# Altium PCB V1_PCB-main.PcbDoc (part 2 of 7) (continued)
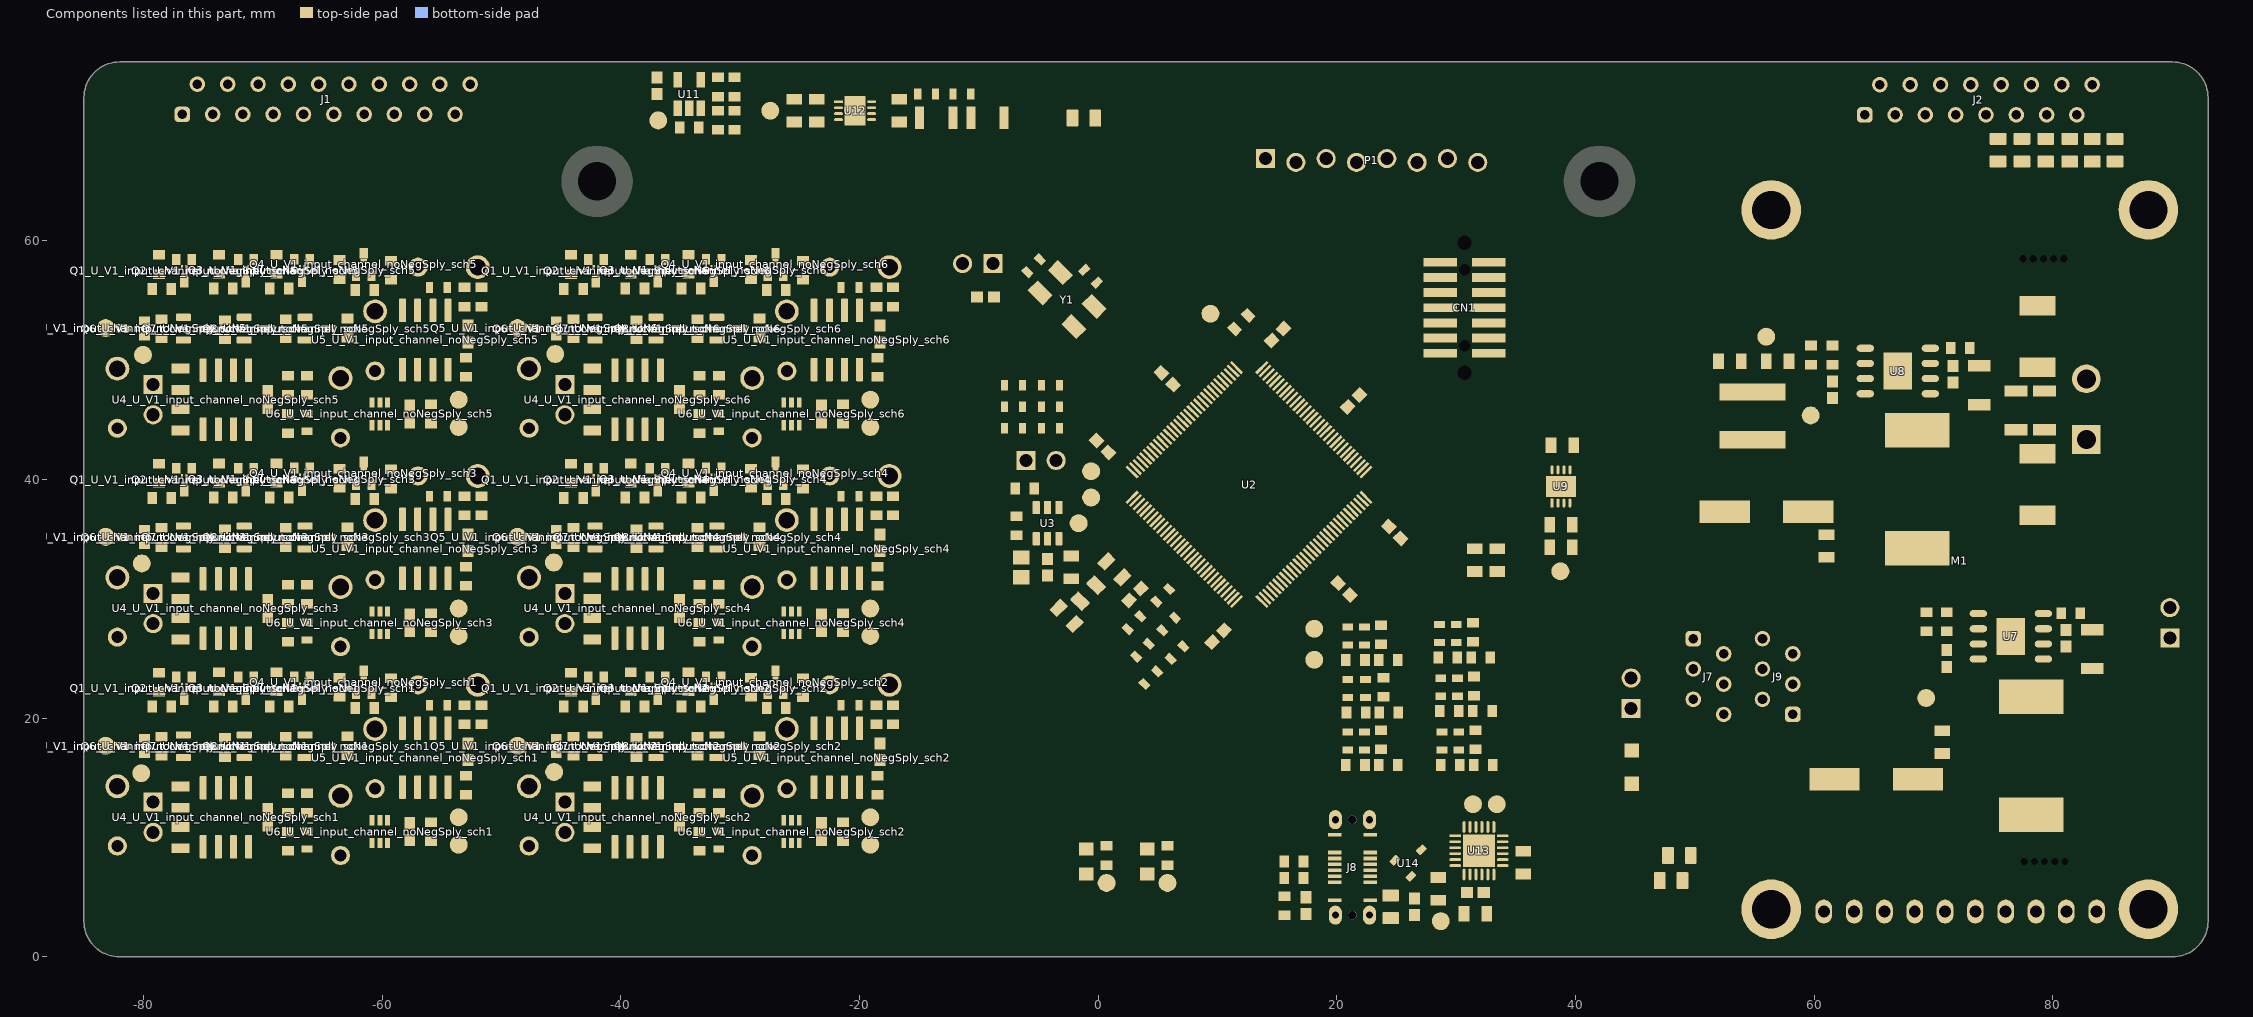
[diagram p4: the components of this part, seen from the top]
## Footprints (in the part's own frame and the unit in brackets; to place one, negate y for a bottom-side part, rotate by r counter-clockwise, add the part's x,y. Pads: shape width x height; smd on the part's side, far side on the other; paste and mask are expansions set on the pad) (continued)
  silkscreen extent -318,-281 280,323, body extent -315,-315 315,315, height 63
"scope with ground spring probe point" [mm]
  round 1.6 hole 1 paste-2539.97: NEG(0,-5)
  round 2 hole 1.4 paste-2539.97: POS(0,0)
  silkscreen extent -0.5,-3.5 0.5,-1.5
SMD-1812 [mm] "Chip Inductor, 2-Leads, Body 4.5x3.2mm"
  rect 1.65x3 smd: 1(-2.575,0) 2(2.575,0)
  silkscreen extent -1,-1.5 1,1.5, body extent -2.25,-1.6 2.25,1.6, height 1.49
SMD_0805 [mm] "Chip 2-Leads, Body 2.05x1.25mm, IPC Medium Density"
  rrect15% 1x1.4 smd: 1(-0.95,0) 2(0.95,0)
  silkscreen extent -0.05,-0.6 0.05,0.6, body extent -1.1,-0.7 1.1,0.7, height 0.8
SOIC127P600X175-8N [mm]
  rrect25% 1.97x0.59 smd: 1(-2.475,1.905) 2(-2.475,0.635) 3(-2.475,-0.635) 4(-2.475,-1.905) 5(2.475,-1.905) 6(2.475,-0.635) 7(2.475,0.635) 8(2.475,1.905)
  silkscreen extent -4.54,-2.52 2,2.6
"SOT-23 for nexperia mosfets" [mm]
  rrect25% 1.26x0.59 smd: 1(-0.98,0.95) 2(-0.98,-0.95) 3(0.98,0)
  silkscreen extent -2.48,-1.45 0.65,1.45, body extent -1.15,-1.45 1.15,1.45, height 1.1
tec1091-pins [mm]
  oval 2x1.4 hole 1 paste-2539.97: 1(3,30.4) 2(3,27.86) 3(3,25.32) 4(3,22.78) 5(3,20.24) 6(3,17.7) 7(3,15.16) 8(3,12.62) 9(3,10.08) 10(3,7.54)
  round 5 hole 3.2 unplated paste-2539.97: MNT(3.2,34.8) MNT(3.2,3.2) MNT(61.8,3.2) MNT(61.8,34.8)
  silkscreen extent 0,0 65,38, body extent 0,0 65,38, height 33.46
"Test Point 1.5mm SMD" [mm] "1.5mm circle SMD test point"
  round 1.5 smd paste-2539.97: 1(0,0)
WCAP-CSGP_0805_L2W1.25H1.25 [mm] "Ceramic Capacitors, body 2x1.25mm"
  rect 0.9x1.3 smd: 1(-0.95,0) 2(0.95,0)
  body extent -1,-0.63 1,0.63, height 1.25
WCAP-PSHP_D8H8.7 [mm] "Aluminium Polymer V-Chip SMT Capacitors, D8mm x L8.7mm"
  rect 4.2x1.9 smd: 1(3.5,0) 2(-3.5,0)
  silkscreen extent -4.25,-4.25 4.25,4.25, body extent -4.5,-4.15 4.5,4.15, height 8.7
WE-PD-XXL [mm] "SMD Inductor, 2-Leads, Body 12.0 x 12.0 mm"
  rect 2.9x5.4 smd: 1(-4.95,0) 2(4.95,0)
  silkscreen extent -6.25,-6.25 6.25,6.25, body extent -6,-6 6,6, height 10.36
WE-XHMI_6060_L6.65W6.45H5.8 [mm] "SMT Power Inductor, 2-Leads, body 6.65x6.45mm"
  rect 5.5x1.45 smd: 1(0,2) 2(0,-2)
  Top Layer keep-out region: -3.325,1.075 3.325,1.075 3.325,-1.075 -3.325,-1.075
  silkscreen extent -4.03,-3.33 3.42,3.33, body extent -3.32,-3.22 3.33,3.23, height 5.8
X6SN+1_N [mm] "SOT23, 6-Leads, Body 2x1.3mm, Pitch 0.65mm, Lead Span 2.2mm, IPC Medium Density"
  rect 0.85x0.4 smd: 1(-0.95,0.65) 2(-0.95,0) 3(-0.95,-0.65) 4(0.95,-0.65) 5(0.95,0) 6(0.95,0.65)
  silkscreen extent -1.07,-1.1 0.15,1.53, body extent -0.68,-1.07 0.68,1.08, height 1.1

## Part data
C1 C2 C29 C34: library part CMP-207839-000019-1, "CAP CER 4.7UF 50V X7R 1206", Capacitance=4.7uF, Case Code (Imperial)=1206, Case Code (Metric)=3216, Dielectric=X7R, Max Operating Temperature=125°C, Min Operating Temperature=-55°C, Tolerance=10%, Voltage Rating=50V, Case/Package=1206, Length=0.126inch, Mount="Surface Mount", Packaging="Cut Tape", RoHS Compliant=Yes, Series=WCAP-CSGP, Thickness=0.075inch, Voltage Rating (DC)=50V, Width=0.063inch
C3 C4 C5 C6 C7 C8 C9 C10 C15 C21 C25_U_V1_input_channel_noNegSply_sch1 C25_U_V1_input_channel_noNegSply_sch2 C25_U_V1_input_channel_noNegSply_sch3 C25_U_V1_input_channel_noNegSply_sch4 C25_U_V1_input_channel_noNegSply_sch5 C25_U_V1_input_channel_noNegSply_sch6 C27_U_V1_input_channel_noNegSply_sch1 C27_U_V1_input_channel_noNegSply_sch2 C27_U_V1_input_channel_noNegSply_sch3 C27_U_V1_input_channel_noNegSply_sch4 C27_U_V1_input_channel_noNegSply_sch5 C27_U_V1_input_channel_noNegSply_sch6 C28_U_V1_input_channel_noNegSply_sch1 C28_U_V1_input_channel_noNegSply_sch2 C28_U_V1_input_channel_noNegSply_sch3 C28_U_V1_input_channel_noNegSply_sch4 C28_U_V1_input_channel_noNegSply_sch5 C28_U_V1_input_channel_noNegSply_sch6 C30 C31 C35 C36 C50 C56 C58 C60: library part CMP-207839-000004-1, "CAP CER 0.1UF 50V X7R 0603", Capacitance=100nF, Case Code (Imperial)=0603, Case Code (Metric)=1608, Dielectric=X7R, Max Operating Temperature=125°C, Min Operating Temperature=-55°C, Tolerance=10%, Voltage Rating=50V, Case/Package=0603, Length=0.063inch, Mount="Surface Mount", Packaging="Cut Tape", RoHS Compliant=Yes, Series=WCAP-CSGP, Thickness=0.037inch, Voltage Rating (DC)=50V, Width=0.031inch
C11 C12 C14 C16 C17 C33 C37 C38 C40 C41 C42 C43 C51 C52 C53 C57 C59 C61: "WCAP-CSGP Multilayer Ceramic Chip Capacitor, General Purpose, size 0805, X5R, 4.7µF, 25VDC", Capacitance=4.7µF, Capacitance Tolerance=+/-20%, Case/Size Code=0805, Insulation Resistance=0.02GΩ, Manufacturer="Wurth Elektronik", Operating Temperature Max=85°C, Operating Temperature Min=-55°C, Rated Voltage (DC)=25V, Category="Multilayer Ceramic Chip Capacitors", Ceramic Type=X5R, ComponentLink1Description="Website Link", ComponentLink1URL=https://www.we-online.com/redexpert/article/885012107018?ad, ComponentLink2Description="Datasheet Link", ComponentLink2URL=https://www.we-online.com/redexpert/spec/885012107018?ad, Dissipation Factor=10%, Height=1.25mm, Length=2mm, Manufacturer Part Number=885012107018, Match Code=WCAP-CSGP, Mount="Surface Mount", Packaging="Tape and Reel", Technical Reference=X5R0805475M025DFCT10000, Width=1.25mm
C13: library part CMP-207839-000010-1, "CAP CER 1UF 25V X7R 0805", Capacitance=1uF, Case Code (Imperial)=0805, Case Code (Metric)=2012, Dielectric=X7R, Max Operating Temperature=125°C, Min Operating Temperature=-55°C, Tolerance=10%, Voltage Rating=25V, Case/Package=0805, Length=0.079inch, Mount="Surface Mount", Packaging="Cut Tape", RoHS Compliant=Yes, Series=WCAP-CSGP, Thickness=0.053inch, Voltage Rating (DC)=25V, Width=0.049inch
C18 C19 C20 C22 C23 C24_U_V1_input_channel_noNegSply_sch1 C24_U_V1_input_channel_noNegSply_sch2 C24_U_V1_input_channel_noNegSply_sch3 C24_U_V1_input_channel_noNegSply_sch4 C24_U_V1_input_channel_noNegSply_sch5 C24_U_V1_input_channel_noNegSply_sch6 C26_U_V1_input_channel_noNegSply_sch1 C26_U_V1_input_channel_noNegSply_sch2 C26_U_V1_input_channel_noNegSply_sch3 C26_U_V1_input_channel_noNegSply_sch4 C26_U_V1_input_channel_noNegSply_sch5 C26_U_V1_input_channel_noNegSply_sch6 C44 C45 C46 C47 C48 C49 C54 C55 C62 C63 C64 C65 C66 C67 C68 C69 C70 C71 C72 C73 C74 C75 C76: library part C, "Capacitor - generic SMD"
  C18 C19 C23 C24_U_V1_input_channel_noNegSply_sch1 C24_U_V1_input_channel_noNegSply_sch2 C24_U_V1_input_channel_noNegSply_sch3 C24_U_V1_input_channel_noNegSply_sch4 C24_U_V1_input_channel_noNegSply_sch5 C24_U_V1_input_channel_noNegSply_sch6 C26_U_V1_input_channel_noNegSply_sch1 C26_U_V1_input_channel_noNegSply_sch2 C26_U_V1_input_channel_noNegSply_sch3 C26_U_V1_input_channel_noNegSply_sch4 C26_U_V1_input_channel_noNegSply_sch5 C26_U_V1_input_channel_noNegSply_sch6 C44 C45 C46 C47 C48 C49 C74 C75 C76: DNP=DNP
C32 C39: "WCAP-PSHP Aluminum Polymer Capacitor, V-Chip, SMT, D8 x H8.7mm, 68µF, 25V", Capacitance=68µF, Capacitance Tolerance=+/-20%, Leakage Current=340µA, Manufacturer="Wurth Elektronik", Operating Temperature Max=105°C, Operating Temperature Min=-55°C, Rated Voltage (DC)=25V, Ripple Current=3500mA, Category="Aluminum Polymer Capacitors", ComponentLink1Description="Website Link", ComponentLink1URL=https://www.we-online.com/redexpert/article/875115552001?ad, ComponentLink2Description="Datasheet Link", ComponentLink2URL=https://www.we-online.com/redexpert/spec/875115552001?ad, Diameter=8mm, Dissipation Factor=8%, Endurance=2000h, ESR=20mΩ, Height=8.7mm, Manufacturer Part Number=875115552001, Match Code=WCAP-PSHP, Mount="Surface Mount", Packaging="Tape and Reel", Technical Reference=PSEE087680M025DVCTEB000
CN1: "Header 7x2, 1.27mm, Dual row, Straight, Surface mount, vertical male connector. 3.05mm lead. Mates with FFSD connector. Footprint compatible with FTSH-107-01-L-DV,-K,-A,-P,-ES (STDC14 MEDIUM)"
D1 D2: library part CMP-1426-00010-2, "LED RED CLEAR 0805 SMD", Case Code (Imperial)=0805, Case Code (Metric)=2012, Color=Red, Forward Current=30mA, Forward Voltage=1.9V, Lens Color=Colorless, Max Operating Temperature=85°C, Min Operating Temperature=-40°C, Package Quantity=1, Test Current=20mA, Case/Package=0805, Dominant Wavelength=630nm, Height=0.8mm, Length=2mm, Lens Size=1.25mm, Lens Style=Clear, Lens Transparency=Clear, Luminous Intensity=60mcd, Mount="Surface Mount", Packaging="Cut Tape", RoHS Compliant=Yes, Series=WL-SMCW, Viewing Angle=140°, Wavelength=630nm, Width=1.25mm
D3: library part CMP-14398-000036-1, "DIODE SCHOTTKY 30V 1A CFP3", RoHS Compliant=Yes
FB1 FB2 FB5 FB6 FB7 FB8 FB9 FB10 FB11 FB12 FB13: library part BLM21AG121SN1D, "Ferrite Bead, 0805 [2012 Metric], 120 ohm, 800 mA, BLM21A Series, 0.15 ohm, ± 25%", AC resistance=120Ω, Case=0805, DC resistance=0.15Ω, Frequency=100MHz, Manufacturer=Murata, Max current=0.2A, Category="ferite beads", Dealer=Farnell, Dealer number=1515617, HelpURL=https://www.farnell.com/datasheets/1914683.pdf, Manufacturer Number=BLM21AG121SN1D, Price=0.082, Technology=SMT
J1: "WR-MM Mini Module Connector, Female, THT, with Latch & Polarization, Angled, pitch 2.54mm, 20p", Contact Resistance=10mΩ, Insulation Resistance=1000MΩ, Manufacturer="Wurth Elektronik", Operating Temperature Max=105°C, Operating Temperature Min=-40°C, Rated Current=1.5A, Withstanding Voltage=500VAC, Working Voltage=250VAC, Category="Board-to-Board Connectors", ComponentLink1Description="Website Link", ComponentLink1URL=https://www.we-online.com/redexpert/article/690368192072?ad, ComponentLink2Description="Datasheet Link", ComponentLink2URL=https://www.we-online.com/redexpert/spec/690368192072?ad, Gender=Female, Length=30mm, Manufacturer Part Number=690368192072, Match Code=WR-MM, Mount="Through Hole", Number of Pins=20, Orientation=Angled, Packaging=Tube, Pitch=2.54mm
J2: "WR-MM Mini Module Connector, Female, THT, with Latch & Polarization, Angled, pitch 2.54mm, 16p", Contact Resistance=10mΩ, Insulation Resistance=1000MΩ, Manufacturer="Wurth Elektronik", Operating Temperature Max=105°C, Operating Temperature Min=-40°C, Rated Current=1.5A, Withstanding Voltage=500VAC, Working Voltage=250VAC, Category="Board-to-Board Connectors", ComponentLink1Description="Website Link", ComponentLink1URL=https://www.we-online.com/redexpert/article/690368191672?ad, ComponentLink2Description="Datasheet Link", ComponentLink2URL=https://www.we-online.com/redexpert/spec/690368191672?ad, Gender=Female, Length=24.92mm, Manufacturer Part Number=690368191672, Match Code=WR-MM, Mount="Through Hole", Number of Pins=16, Orientation=Angled, Packaging=Tube, Pitch=2.54mm
J7 J9: "WR-MM Mini Module Connector, Female, THT, with Latch & Polarization, Angled, pitch 2.54mm, 6p", Contact Resistance=10mΩ, Insulation Resistance=1000MΩ, Manufacturer="Wurth Elektronik", Operating Temperature Max=105°C, Operating Temperature Min=-40°C, Rated Current=1.5A, Withstanding Voltage=500VAC, Working Voltage=250VAC, Category="Board-to-Board Connectors", ComponentLink1Description="Website Link", ComponentLink1URL=https://www.we-online.com/redexpert/article/690368190672?ad, ComponentLink2Description="Datasheet Link", ComponentLink2URL=https://www.we-online.com/redexpert/spec/690368190672?ad, Gender=Female, Length=12.22mm, Manufacturer Part Number=690368190672, Match Code=WR-MM, Mount="Through Hole", Number of Pins=6, Orientation=Angled, Packaging=Tube, Pitch=2.54mm
J8 U4_U_V1_input_channel_noNegSply_sch1 U4_U_V1_input_channel_noNegSply_sch2 U4_U_V1_input_channel_noNegSply_sch3 U4_U_V1_input_channel_noNegSply_sch4 U4_U_V1_input_channel_noNegSply_sch5 U4_U_V1_input_channel_noNegSply_sch6 U5_U_V1_input_channel_noNegSply_sch1 U5_U_V1_input_channel_noNegSply_sch2 U5_U_V1_input_channel_noNegSply_sch3 U5_U_V1_input_channel_noNegSply_sch4 U5_U_V1_input_channel_noNegSply_sch5 U5_U_V1_input_channel_noNegSply_sch6: Package=None, Availability=Unavailable, Price=None
  J8: MP=USB4145-03-0170-C_REVA2
  U4_U_V1_input_channel_noNegSply_sch1 U4_U_V1_input_channel_noNegSply_sch2 U4_U_V1_input_channel_noNegSply_sch3 U4_U_V1_input_channel_noNegSply_sch4 U4_U_V1_input_channel_noNegSply_sch5 U4_U_V1_input_channel_noNegSply_sch6 U5_U_V1_input_channel_noNegSply_sch1 U5_U_V1_input_channel_noNegSply_sch2 U5_U_V1_input_channel_noNegSply_sch3 U5_U_V1_input_channel_noNegSply_sch4 U5_U_V1_input_channel_noNegSply_sch5 U5_U_V1_input_channel_noNegSply_sch6: MP=MAX4460ESAT
L1 L2: library part CMP-0220-00090-1, "SMD EMI Suppression Ferrite Bead WE-CBF, Z = 680 Ohm", ComponentLink1Description="Manufacturer Link", ComponentLink1URL=http://www.we-online.com, ComponentLink2Description=Datasheet, ComponentLink2URL=http://www.we-online.de/katalog/media/pdf/74279252.pdf, DatasheetVersion="ver 7, May-2010", Impedance="680 Ohm", PackageDescription="Chip Inductor, 2-Leads, Body 4.5 x 3.2 mm", PackageReference=SMD-1812, PackageVersion=2010
L3 L4: library part CMP-0227-00184-1, "SMD-Shielded Power Inductor WE-PD, L = 39.0 µH", Inductance="39.0 ÂµH", ComponentLink1Description="Manufacturer Link", ComponentLink1URL=http://www.we-online.com, ComponentLink2Description=Datasheet, ComponentLink2URL=http://www.we-online.de/katalog/media/pdf/7447709390.pdf, DatasheetVersion="ver 2, Jun-2006", PackageDescription="SMD Inductor, 2-Leads, Body 12.0 x 12.0 mm", PackageReference=WE-PD-XXL, PackageVersion=2004
L5: library part 74439346100, "WE-XHMI SMT Power Inductor, size 6060, 10µH, 5A, 26.5mΩ", Case/Size Code=6060, DC resistance=26.5mΩ, Inductance=10µH, Manufacturer="Wurth Elektronik", Operating Temperature Max=125°C, Operating Temperature Min=-40°C, Performance Rated Current=6.4A, Rated Current=5A, Saturation Current=9.7A, Self Resonant Frequency=18MHz, Category="Shielded Power Inductors", ComponentLink1Description="Website Link", ComponentLink1URL=https://www.we-online.com/redexpert/article/74439346100?ad, ComponentLink2Description="Datasheet Link", ComponentLink2URL=https://www.we-online.com/redexpert/spec/74439346100?ad, Height=5.8mm, Length=6.65mm, Manufacturer Part Number=74439346100, Match Code=WE-XHMI, Mount="Surface Mount", Packaging="Tape and Reel", Width=6.45mm
L8 L9: library part L, "Inductor - generic SMD"
M1: "Peltier control module"
P1: library part CMP-1502-01076-1, "THT Vertical Pin Header WR-PHD, Pitch 2.54 mm, Single Row, 8 pins", Contact Resistance=20mOhm, Manufacturer="Wurth Elektronik", Operating Temperature=-40to105degC, Rated Current=3A, Withstanding Voltage=500VAC, Working Voltage=250VAC, Datasheet URL=https://katalog.we-online.de/em/datasheet/6130xx11121.pdf, Gender=Male, Manufacturer URL=http://www.we-online.de, Mounting Technology=THT, Orientation=Vertical, Package Reference=61300811121, Packaging=Bag, Part Number=61300811121, Pin Number=8, Pitch=2.54mm, Publisher=WurthElektronik, Row Number=Single
P2: library part CMP-1502-02238-1, "Serie 3175 - 5.08mm Close Horizontal PCB Header with Flages WR-TBL, 2 pin", Manufacturer="Wurth Elektronik", Operating Temperature=-40to105degC, Datasheet URL=http://katalog.we-online.de/em/datasheet/6913175100xx.pdf, Gender=Male, Manufacturer URL=http://www.we-online.de, Mounting Technology=THT, Package Reference=691317510002, Packaging=Box, Part Number=691317510002, Pin Number=2, Pitch=5.08mm, Publisher=WurthElektronik
P3 P4 P5_U_V1_input_channel_noNegSply_sch1 P5_U_V1_input_channel_noNegSply_sch2 P5_U_V1_input_channel_noNegSply_sch3 P5_U_V1_input_channel_noNegSply_sch4 P5_U_V1_input_channel_noNegSply_sch5 P5_U_V1_input_channel_noNegSply_sch6 P6 P7: library part CMP-1712-00002-4, "THT Vertical Pin Header WR-PHD, Pitch 2.54 mm, Single Row, 2 pins", Contact Resistance=20mOhm, Manufacturer="Wurth Elektronik", Operating Temperature=-40to105degC, Rated Current=3A, Withstanding Voltage=500VAC, Working Voltage=250VAC, Datasheet URL=https://katalog.we-online.de/em/datasheet/6130xx11121.pdf, Gender=Male, Manufacturer URL=http://www.we-online.de, Mounting Technology=THT, Orientation=Vertical, Package Reference=61300211121, Packaging=Bag, Part Number=61300211121, Pin Number=2, Pitch=2.54mm, Publisher=WurthElektronik, Row Number=Single
Q1_U_V1_input_channel_noNegSply_sch1 Q1_U_V1_input_channel_noNegSply_sch2 Q1_U_V1_input_channel_noNegSply_sch3 Q1_U_V1_input_channel_noNegSply_sch4 Q1_U_V1_input_channel_noNegSply_sch5 Q1_U_V1_input_channel_noNegSply_sch6 Q2_U_V1_input_channel_noNegSply_sch1 Q2_U_V1_input_channel_noNegSply_sch2 Q2_U_V1_input_channel_noNegSply_sch3 Q2_U_V1_input_channel_noNegSply_sch4 Q2_U_V1_input_channel_noNegSply_sch5 Q2_U_V1_input_channel_noNegSply_sch6 Q3_U_V1_input_channel_noNegSply_sch1 Q3_U_V1_input_channel_noNegSply_sch2 Q3_U_V1_input_channel_noNegSply_sch3 Q3_U_V1_input_channel_noNegSply_sch4 Q3_U_V1_input_channel_noNegSply_sch5 Q3_U_V1_input_channel_noNegSply_sch6 Q4_U_V1_input_channel_noNegSply_sch1 Q4_U_V1_input_channel_noNegSply_sch2 Q4_U_V1_input_channel_noNegSply_sch3 Q4_U_V1_input_channel_noNegSply_sch4 Q4_U_V1_input_channel_noNegSply_sch5 Q4_U_V1_input_channel_noNegSply_sch6 Q5_U_V1_input_channel_noNegSply_sch1 Q5_U_V1_input_channel_noNegSply_sch2 Q5_U_V1_input_channel_noNegSply_sch3 Q5_U_V1_input_channel_noNegSply_sch4 Q5_U_V1_input_channel_noNegSply_sch5 Q5_U_V1_input_channel_noNegSply_sch6: "Low leakage N mosfet"
Q6_U_V1_input_channel_noNegSply_sch1 Q6_U_V1_input_channel_noNegSply_sch2 Q6_U_V1_input_channel_noNegSply_sch3 Q6_U_V1_input_channel_noNegSply_sch4 Q6_U_V1_input_channel_noNegSply_sch5 Q6_U_V1_input_channel_noNegSply_sch6 Q7_U_V1_input_channel_noNegSply_sch1 Q7_U_V1_input_channel_noNegSply_sch2 Q7_U_V1_input_channel_noNegSply_sch3 Q7_U_V1_input_channel_noNegSply_sch4 Q7_U_V1_input_channel_noNegSply_sch5 Q7_U_V1_input_channel_noNegSply_sch6 Q8_U_V1_input_channel_noNegSply_sch1 Q8_U_V1_input_channel_noNegSply_sch2 Q8_U_V1_input_channel_noNegSply_sch3 Q8_U_V1_input_channel_noNegSply_sch4 Q8_U_V1_input_channel_noNegSply_sch5 Q8_U_V1_input_channel_noNegSply_sch6: "sot-23 N mosfet low Rdson"
R1 R2 R3 R4 R5 R6 R7 R8 R11_U_V1_input_channel_noNegSply_sch1 R11_U_V1_input_channel_noNegSply_sch2 R11_U_V1_input_channel_noNegSply_sch3 R11_U_V1_input_channel_noNegSply_sch4 R11_U_V1_input_channel_noNegSply_sch5 R11_U_V1_input_channel_noNegSply_sch6 R12_U_V1_input_channel_noNegSply_sch1 R12_U_V1_input_channel_noNegSply_sch2 R12_U_V1_input_channel_noNegSply_sch3 R12_U_V1_input_channel_noNegSply_sch4 R12_U_V1_input_channel_noNegSply_sch5 R12_U_V1_input_channel_noNegSply_sch6 R13_U_V1_input_channel_noNegSply_sch1 R13_U_V1_input_channel_noNegSply_sch2 R13_U_V1_input_channel_noNegSply_sch3 R13_U_V1_input_channel_noNegSply_sch4 R13_U_V1_input_channel_noNegSply_sch5 R13_U_V1_input_channel_noNegSply_sch6 R14_U_V1_input_channel_noNegSply_sch1 R14_U_V1_input_channel_noNegSply_sch2 R14_U_V1_input_channel_noNegSply_sch3 R14_U_V1_input_channel_noNegSply_sch4 R14_U_V1_input_channel_noNegSply_sch5 R14_U_V1_input_channel_noNegSply_sch6 R15_U_V1_input_channel_noNegSply_sch1 R15_U_V1_input_channel_noNegSply_sch2 R15_U_V1_input_channel_noNegSply_sch3 R15_U_V1_input_channel_noNegSply_sch4 R15_U_V1_input_channel_noNegSply_sch5 R15_U_V1_input_channel_noNegSply_sch6 R16_U_V1_input_channel_noNegSply_sch1 R16_U_V1_input_channel_noNegSply_sch2 R16_U_V1_input_channel_noNegSply_sch3 R16_U_V1_input_channel_noNegSply_sch4 R16_U_V1_input_channel_noNegSply_sch5 R16_U_V1_input_channel_noNegSply_sch6 R17_U_V1_input_channel_noNegSply_sch1 R17_U_V1_input_channel_noNegSply_sch2 R17_U_V1_input_channel_noNegSply_sch3 R17_U_V1_input_channel_noNegSply_sch4 R17_U_V1_input_channel_noNegSply_sch5 R17_U_V1_input_channel_noNegSply_sch6 R20_U_V1_input_channel_noNegSply_sch1 R20_U_V1_input_channel_noNegSply_sch2 R20_U_V1_input_channel_noNegSply_sch3 R20_U_V1_input_channel_noNegSply_sch4 R20_U_V1_input_channel_noNegSply_sch5 R20_U_V1_input_channel_noNegSply_sch6 R21_U_V1_input_channel_noNegSply_sch1 R21_U_V1_input_channel_noNegSply_sch2 R21_U_V1_input_channel_noNegSply_sch3 R21_U_V1_input_channel_noNegSply_sch4 R21_U_V1_input_channel_noNegSply_sch5 R21_U_V1_input_channel_noNegSply_sch6 R22_U_V1_input_channel_noNegSply_sch1 R22_U_V1_input_channel_noNegSply_sch2 R22_U_V1_input_channel_noNegSply_sch3 R22_U_V1_input_channel_noNegSply_sch4 R22_U_V1_input_channel_noNegSply_sch5 R22_U_V1_input_channel_noNegSply_sch6 R23_U_V1_input_channel_noNegSply_sch1 R23_U_V1_input_channel_noNegSply_sch2 R23_U_V1_input_channel_noNegSply_sch3 R23_U_V1_input_channel_noNegSply_sch4 R23_U_V1_input_channel_noNegSply_sch5 R23_U_V1_input_channel_noNegSply_sch6 R24_U_V1_input_channel_noNegSply_sch1 R24_U_V1_input_channel_noNegSply_sch2 R24_U_V1_input_channel_noNegSply_sch3 R24_U_V1_input_channel_noNegSply_sch4 R24_U_V1_input_channel_noNegSply_sch5 R24_U_V1_input_channel_noNegSply_sch6 R27_U_V1_input_channel_noNegSply_sch1 R27_U_V1_input_channel_noNegSply_sch2 R27_U_V1_input_channel_noNegSply_sch3 R27_U_V1_input_channel_noNegSply_sch4 R27_U_V1_input_channel_noNegSply_sch5 R27_U_V1_input_channel_noNegSply_sch6 R30_U_V1_input_channel_noNegSply_sch1 R30_U_V1_input_channel_noNegSply_sch2 R30_U_V1_input_channel_noNegSply_sch3 R30_U_V1_input_channel_noNegSply_sch4 R30_U_V1_input_channel_noNegSply_sch5 R30_U_V1_input_channel_noNegSply_sch6 R31 R32 R33 R34 R35 R36 R37 R38 R39 R40 R41 R42 R43 R44 R45 R46 R47 R48 R49 R50 R51 R52 R53 R54 R55 R56 R57 R58 R59: library part R, "Resistor - generic SMD"
  R11_U_V1_input_channel_noNegSply_sch1 R11_U_V1_input_channel_noNegSply_sch2 R11_U_V1_input_channel_noNegSply_sch3 R11_U_V1_input_channel_noNegSply_sch4 R11_U_V1_input_channel_noNegSply_sch5 R11_U_V1_input_channel_noNegSply_sch6 R13_U_V1_input_channel_noNegSply_sch1 R13_U_V1_input_channel_noNegSply_sch2 R13_U_V1_input_channel_noNegSply_sch3 R13_U_V1_input_channel_noNegSply_sch4 R13_U_V1_input_channel_noNegSply_sch5 R13_U_V1_input_channel_noNegSply_sch6: DNP=DNP
R9_U_V1_input_channel_noNegSply_sch1 R9_U_V1_input_channel_noNegSply_sch2 R9_U_V1_input_channel_noNegSply_sch3 R9_U_V1_input_channel_noNegSply_sch4 R9_U_V1_input_channel_noNegSply_sch5 R9_U_V1_input_channel_noNegSply_sch6 R10_U_V1_input_channel_noNegSply_sch1 R10_U_V1_input_channel_noNegSply_sch2 R10_U_V1_input_channel_noNegSply_sch3 R10_U_V1_input_channel_noNegSply_sch4 R10_U_V1_input_channel_noNegSply_sch5 R10_U_V1_input_channel_noNegSply_sch6 R18_U_V1_input_channel_noNegSply_sch1 R18_U_V1_input_channel_noNegSply_sch2 R18_U_V1_input_channel_noNegSply_sch3 R18_U_V1_input_channel_noNegSply_sch4 R18_U_V1_input_channel_noNegSply_sch5 R18_U_V1_input_channel_noNegSply_sch6 R19_U_V1_input_channel_noNegSply_sch1 R19_U_V1_input_channel_noNegSply_sch2 R19_U_V1_input_channel_noNegSply_sch3 R19_U_V1_input_channel_noNegSply_sch4 R19_U_V1_input_channel_noNegSply_sch5 R19_U_V1_input_channel_noNegSply_sch6 R25_U_V1_input_channel_noNegSply_sch1 R25_U_V1_input_channel_noNegSply_sch2 R25_U_V1_input_channel_noNegSply_sch3 R25_U_V1_input_channel_noNegSply_sch4 R25_U_V1_input_channel_noNegSply_sch5 R25_U_V1_input_channel_noNegSply_sch6 R26_U_V1_input_channel_noNegSply_sch1 R26_U_V1_input_channel_noNegSply_sch2 R26_U_V1_input_channel_noNegSply_sch3 R26_U_V1_input_channel_noNegSply_sch4 R26_U_V1_input_channel_noNegSply_sch5 R26_U_V1_input_channel_noNegSply_sch6 R28_U_V1_input_channel_noNegSply_sch1 R28_U_V1_input_channel_noNegSply_sch2 R28_U_V1_input_channel_noNegSply_sch3 R28_U_V1_input_channel_noNegSply_sch4 R28_U_V1_input_channel_noNegSply_sch5 R28_U_V1_input_channel_noNegSply_sch6 R29_U_V1_input_channel_noNegSply_sch1 R29_U_V1_input_channel_noNegSply_sch2 R29_U_V1_input_channel_noNegSply_sch3 R29_U_V1_input_channel_noNegSply_sch4 R29_U_V1_input_channel_noNegSply_sch5 R29_U_V1_input_channel_noNegSply_sch6: library part R, "Resistor - generic SMD", Tolerance="0.1% 10ppm/C"
U2: "No Description Available", Mfr_Name=STMicroelectronics, RefDes=RefDes, Type=Type
U3: library part CMP-04916-000061-1, "650-NA QUIESCENT CURRENT, 12-PPM, 3V out"
U6_U_V1_input_channel_noNegSply_sch1 U6_U_V1_input_channel_noNegSply_sch2 U6_U_V1_input_channel_noNegSply_sch3 U6_U_V1_input_channel_noNegSply_sch4 U6_U_V1_input_channel_noNegSply_sch5 U6_U_V1_input_channel_noNegSply_sch6: library part CMP-0252-00044-1, "1.5MHz, High-Efficiency Single Op Amp with Zero-Drift and Rail to Rail IO, 6-Pin SC70, -40°C to +125°C, Pb-Free, Tape and Reel", Code_JEDEC=MO-203, ComponentLink1Description="Manufacturer URL", ComponentLink1URL=http://www.maxim-ic.com, ComponentLink2Description=Datasheet, ComponentLink2URL=http://datasheets.maxim-ic.com/en/ds/MAX9617-MAX9620.pdf, ComponentLink3Description="Package Specification", ComponentLink3URL=http://pdfserv.maxim-ic.com/package_dwgs/21-0077.PDF, DatasheetVersion="Rev 5, Jul-2011", PackageDescription="6-Pin SL70 Package 2 x 1.3 mm Body ,0.65 mm Pitch, Pb-Free", PackageReference=X6SN+1, PackageVersion="revH, 2010"
U7 U8: "LMR38020 SIMPLE SWITCHER® 4.2-V to 80-V, 2-A Synchronous Buck Converter with 40-µA IQ"
U9: library part CMP-09138-000177-1, "IC REG LINEAR 3.3V 500MA 8LFCSP", Max Input Voltage=20V, Max Operating Temperature=125°C, Max Output Current=500mA, Max Output Voltage=19V, Max Supply Current=900uA, Min Input Voltage=3.3V, Min Operating Temperature=-40°C, Min Output Voltage=1.22V, Power Supply Rejection Ratio (PSRR)=50dB, Number of Pins=8, RoHS Compliant=Yes
U11: library part CMP-0384-01486-1, "Single Channel RRIO Operational Amplifier, 3 MHz BW, 5 V/us SR, Industrial, 5-pin SOT23 (RJ-5), Reel", Amplifiers Per Package=1, Generic Part Number=AD8531, Input Bias Current=5pA, Input Offset Voltage=25mV, Manufacturer="Analog Devices", Code_JEDEC=MO-178-AA, ComponentLink1Description="Manufacturer URL", ComponentLink1URL=http://www.analog.com/en/index.html, ComponentLink2Description=Datasheet, ComponentLink2URL=http://www.analog.com/static/imported-files/data_sheets/AD8531_8532_8534.pdf, ComponentLink3Description="Package Specification", ComponentLink3URL=http://www.analog.com/static/imported-files/packages/PKG_PDF/SOT-23(RJ)/RJ_5.pdf, DatasheetVersion="Rev. F", Iq/Amp=1.25mA, Mounting Technology="Surface Mount", PackageDescription="5-Pin Small Outline Transistor Package, Body 2.9 x 1.6 mm, Pitch 0.95 mm", PackageReference=RJ-5, PackageVersion=121608-A, Packing=Reel, PartNumber=AD8531ARTZ-REEL7, Slew Rate=5V/us, Small Signal Bandwidth=3MHz, V Span Max=6V, V Span Min=2.7V
U12: library part CMP-09138-000117-1, "IC REG LINEAR 5V 500MA 8LFCSP", Dropout Voltage=350mV, Max Input Voltage=20V, Max Operating Temperature=125°C, Max Output Current=500mA, Max Output Voltage=19V, Max Supply Current=900uA, Min Current Limit=625mA, Min Input Voltage=3.3V, Min Operating Temperature=-40°C, Min Output Voltage=1.22V, Operating Supply Current=900mA, Output Voltage=5V, Package Quantity=1500, Power Supply Rejection Ratio (PSRR)=50dB, Reference Voltage=1.23V, Accuracy=0.8%, Contact Plating=Tin, Lead Free="Contains Lead", Mount="Surface Mount", Number of Outputs=1, Number of Pins=8, Number of Regulators=1, Output Current=500mA, Output Type=Fixed, Packaging="Tape and Reel", Polarity=Positive, Quiescent Current=900uA, RoHS Compliant=Yes
U13: library part CMP-08107-000004-1, "IC SGL USB-TO-UART BRIDGE 24QFN", Ambient Temperature Range High=+125°C, Ambient Temperature Range Low=-55°C, LCSC=C47742, Manufacturer="Silicon Laboratories", Max Supply Voltage=3.6V, Min Supply Voltage=1.8V, Nominal Supply Current=100-17000uA, Temperature="-40°C to +85°C", Temperature Range High=+85°C, Temperature Range Low=-40°C, Automotive=No, Category=IC, ComponentLink2Description=Datasheet, ComponentLink2URL=https://www.silabs.com/documents/public/data-sheets/cp2104.pdf, Device Class L1="Integrated Circuits (ICs)", Device Class L2="Interface ICs", Device Class L3=Controllers, Digikey Description="IC SGL USB-TO-UART BRIDGE 24QFN", Height=0.8mm, Interface=UART,USB, Ipc Land Pattern Name=QFN50P400X400X75-24, Lead Free=Yes, Manufacturer Part Number=CP2104-F03-GMR, Mouser Description="I/O Controller Interface IC USB to UART bridge", Octopart=https://octopart.com/cp2104-f03-gmr-silicon+labs-19668642, Package=CP2104-F03-GMR, RoHS=TRUE, Standoff Height=0mm
U14: library part CMP-0326-00068-3, "ESD Protection Array for High-Speed Data Interfaces, 2 Channels, -40 to +85 degC, 3-pin SOT-23 (DBZ), Green (RoHS & no Sb/Br)", Breakdown Voltage(Min)(V)=9, Differential Capacitance(pF)=0.01, IO Capacitance(Typ)(pF)=0.7, IO Leakage Current(nA)=10, Manufacturer="Texas Instruments", ComponentLink1Description="Manufacturer URL", ComponentLink1URL=http://www.ti.com/, ComponentLink2Description=Datasheet, ComponentLink2URL=http://www.ti.com/general/docs/lit/getliterature.tsp?genericPartNumber=TPD2E009&fileType=pdf, ComponentLink3Description="URL Link1", ComponentLink3URL=SamplesURL:http://www.ti.com/product/tpd2e009#samples, DatasheetVersion=SLVS953A, Eco-Plan="Green (RoHS & no Sb/Br)", IEC 61000-4-2 Air-Gap(+/- kV)=8, IEC 61000-4-2 Contact(+/- kV)=8, Mounting Technology="Surface Mount", PackageDescription="3-Pin Plastic Small-Outline Package, 0.95 mm Pitch, 2.4 mm Lead Span", PackageReference=DBZ0003A, PackageVersion="revB, Apr-2005", PartNumber=TPD2E009DBZR, Serial ATA / eSATA=TRUE, SubFamily="ESD Solution"
Y1: library part CMP-2000-05730-2, "Crystal 8MHz ±10ppm 10pF SMD-4 5mm x 3.2mm", Case/Package=SMD/SMT, ESR (Equivalent Series Resistance)=200R, Frequency=8MHz, Frequency Stability=10ppm, Load Capacitance=10pF, Max Operating Temperature=60°C, Min Operating Temperature=-10°C, Depth=3.2mm, Frequency Tolerance=10ppm, Height=0.043inch, Height - Seated (Max)=0.043inch, Lead Free="Lead Free", Length=0.197inch, Mount="Surface Mount", Number of Pins=4, Packaging="Tape and Reel", REACH SVHC="No SVHC", RoHS Compliant=Yes, Series=ABM3B, Series Resistance=200R, Width=0.126inch

## Free pads (board coordinates)
  round 0 hole 0.6 unplated mask+0: BITE0(77.5,58.5) BITE0(77.6,8) BITE0(78.35,58.5) BITE0(78.45,8) BITE0(79.2,58.5) BITE0(79.3,8) BITE0(80.05,58.5) BITE0(80.15,8) BITE0(80.9,58.5) BITE0(81,8)
  round 6 hole 3.2 unplated paste-2539.97: MNTL(-42,65) MNTR(42,65)

## Via types
v1: diameter 0.4, hole 0.2, Top Layer to Bottom Layer, tented both sides, 712 vias
v2: diameter 0.5, hole 0.2, Top Layer to Bottom Layer, tented both sides, 12 vias